# Altium PCB AD9434-500.PcbDoc (part 1 of 2)
Units mm, origin at the board's own origin, x right, y up, seen from the top; angles counter-clockwise.
Board outline 58.29 x 40.26 mm, 4 copper layers (Top Layer, Layer 1, Layer 2, Bottom Layer), stack 1.603 mm thick; 105 components, 73 nets, 544 pads, 963 vias.
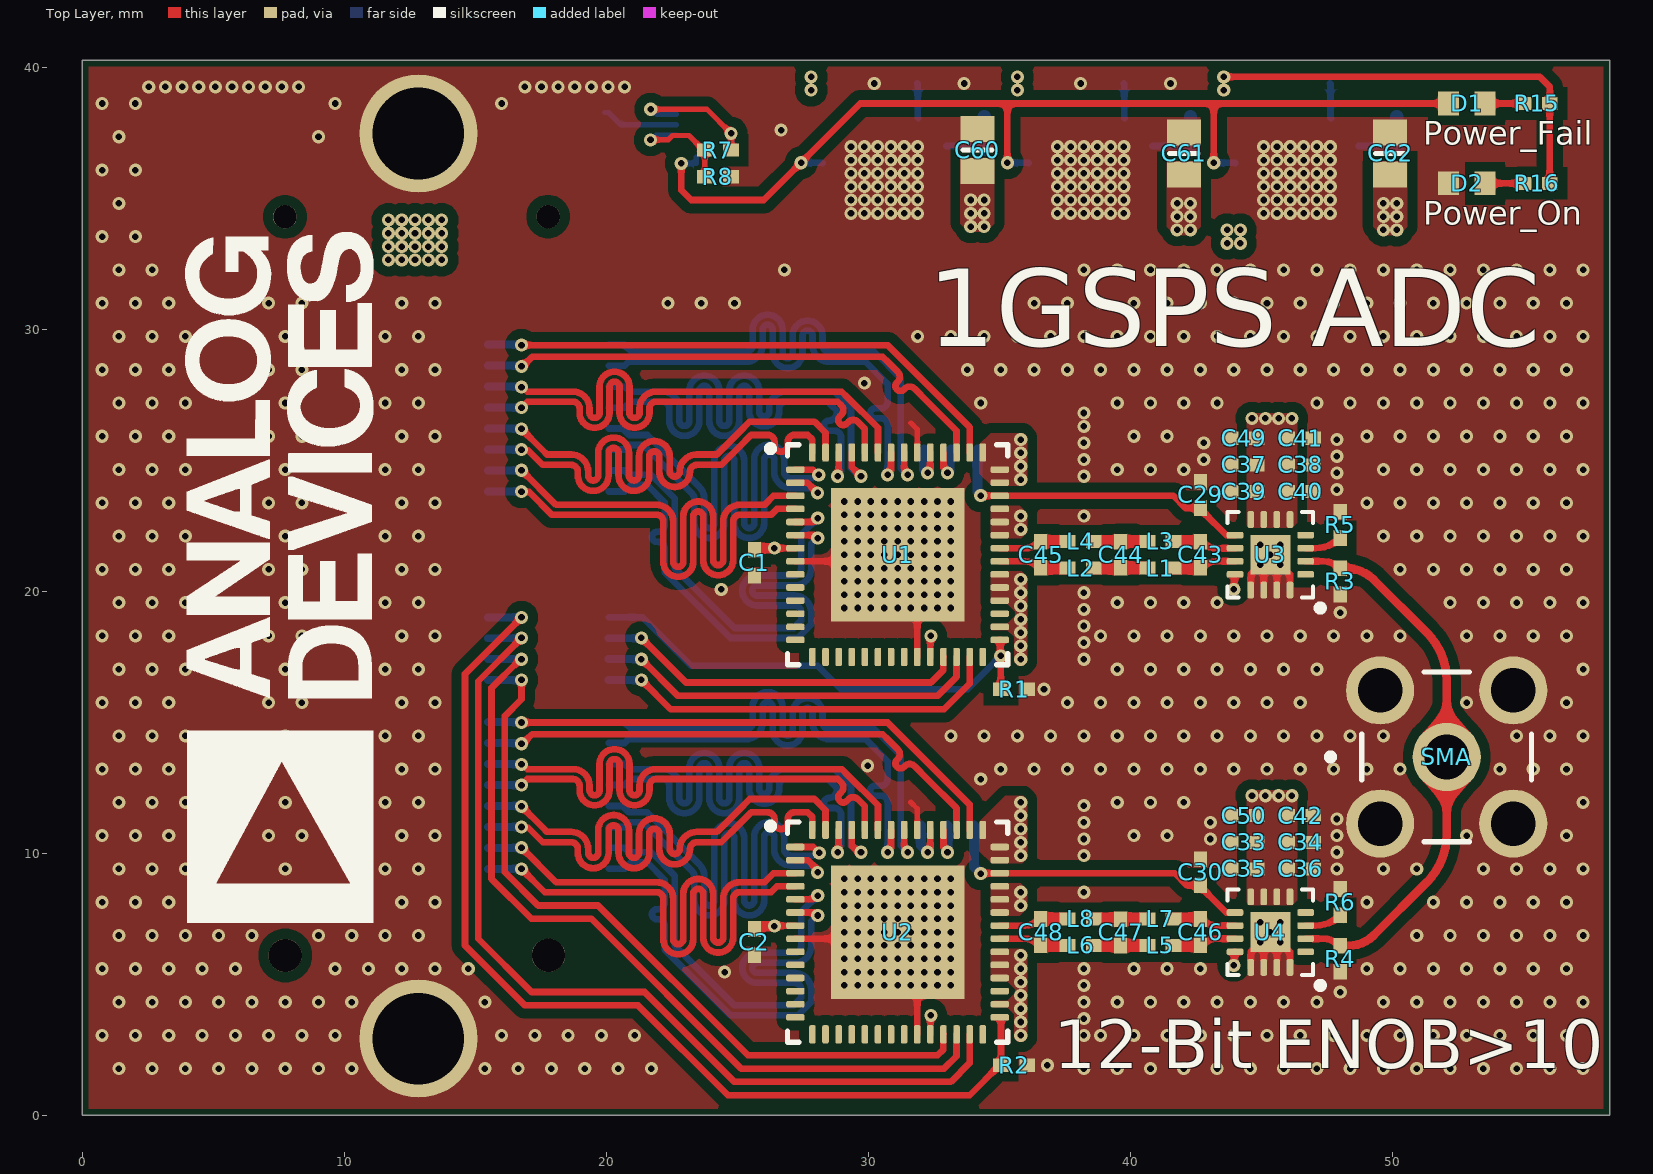
[diagram p0: Top Layer view]
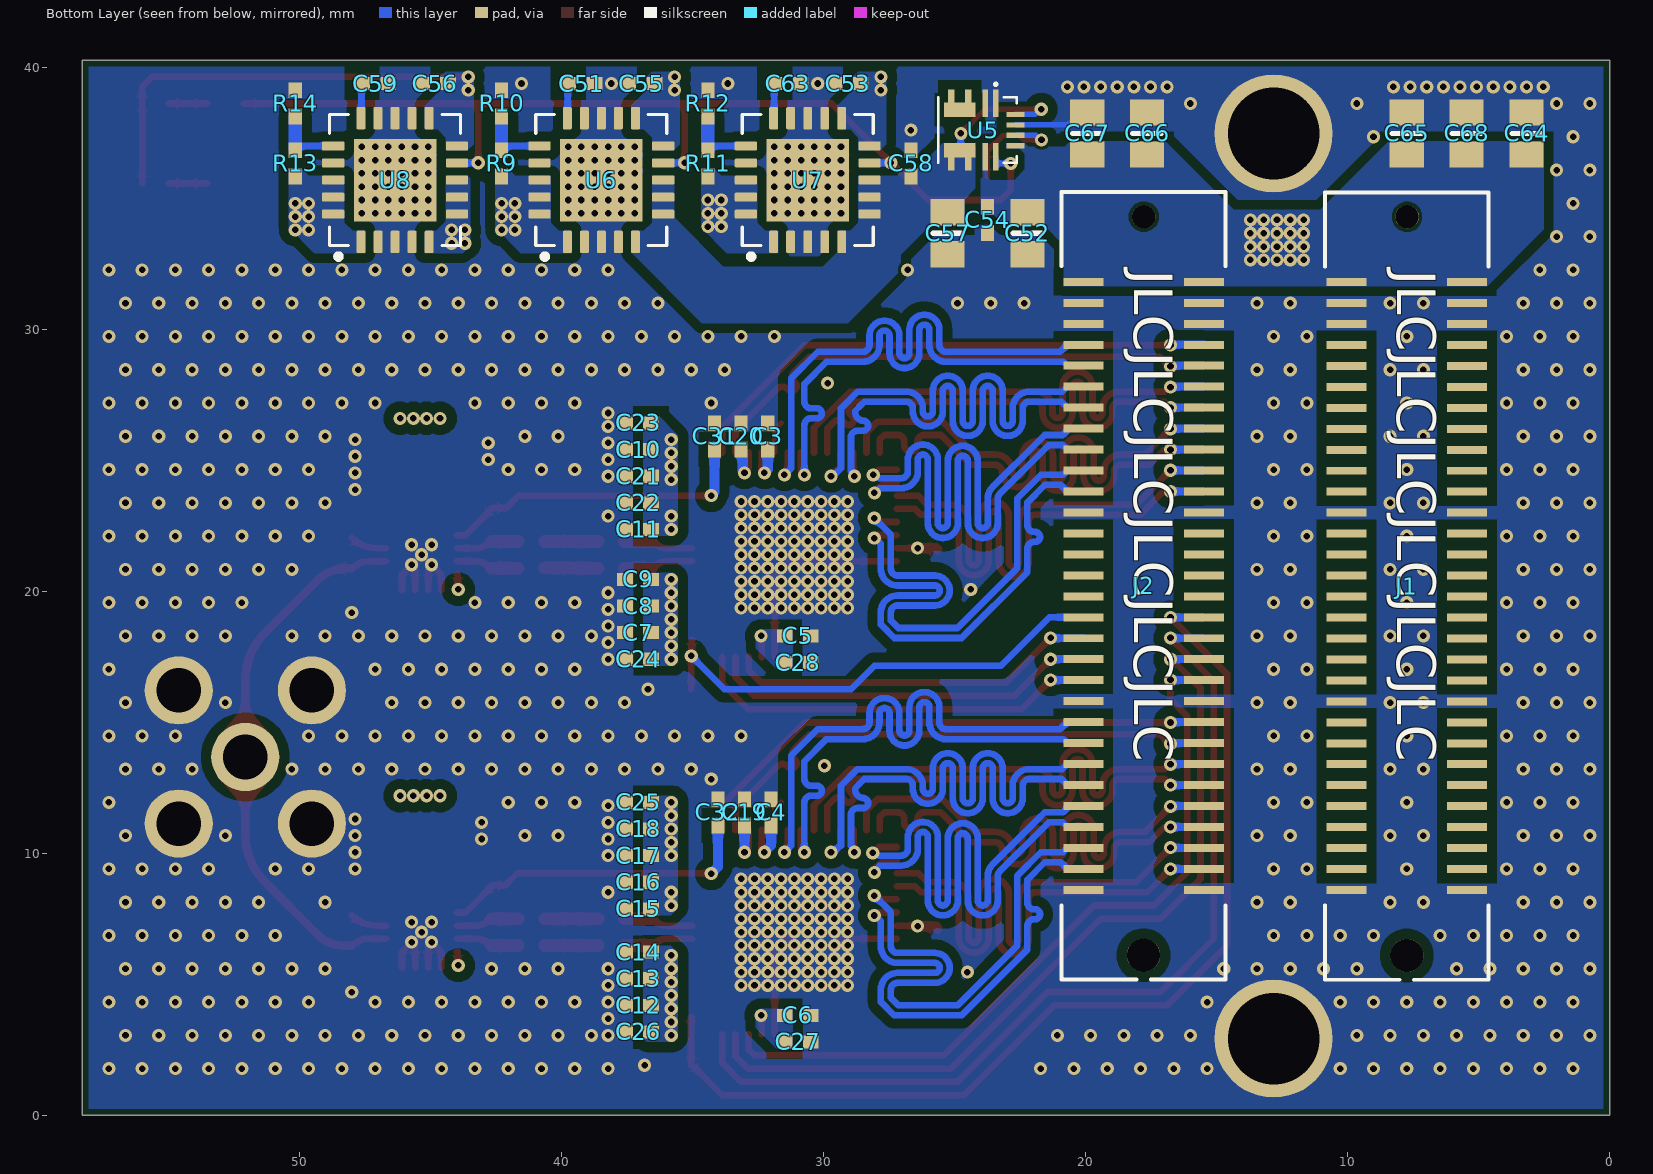
[diagram p1: Bottom Layer view, seen from below]
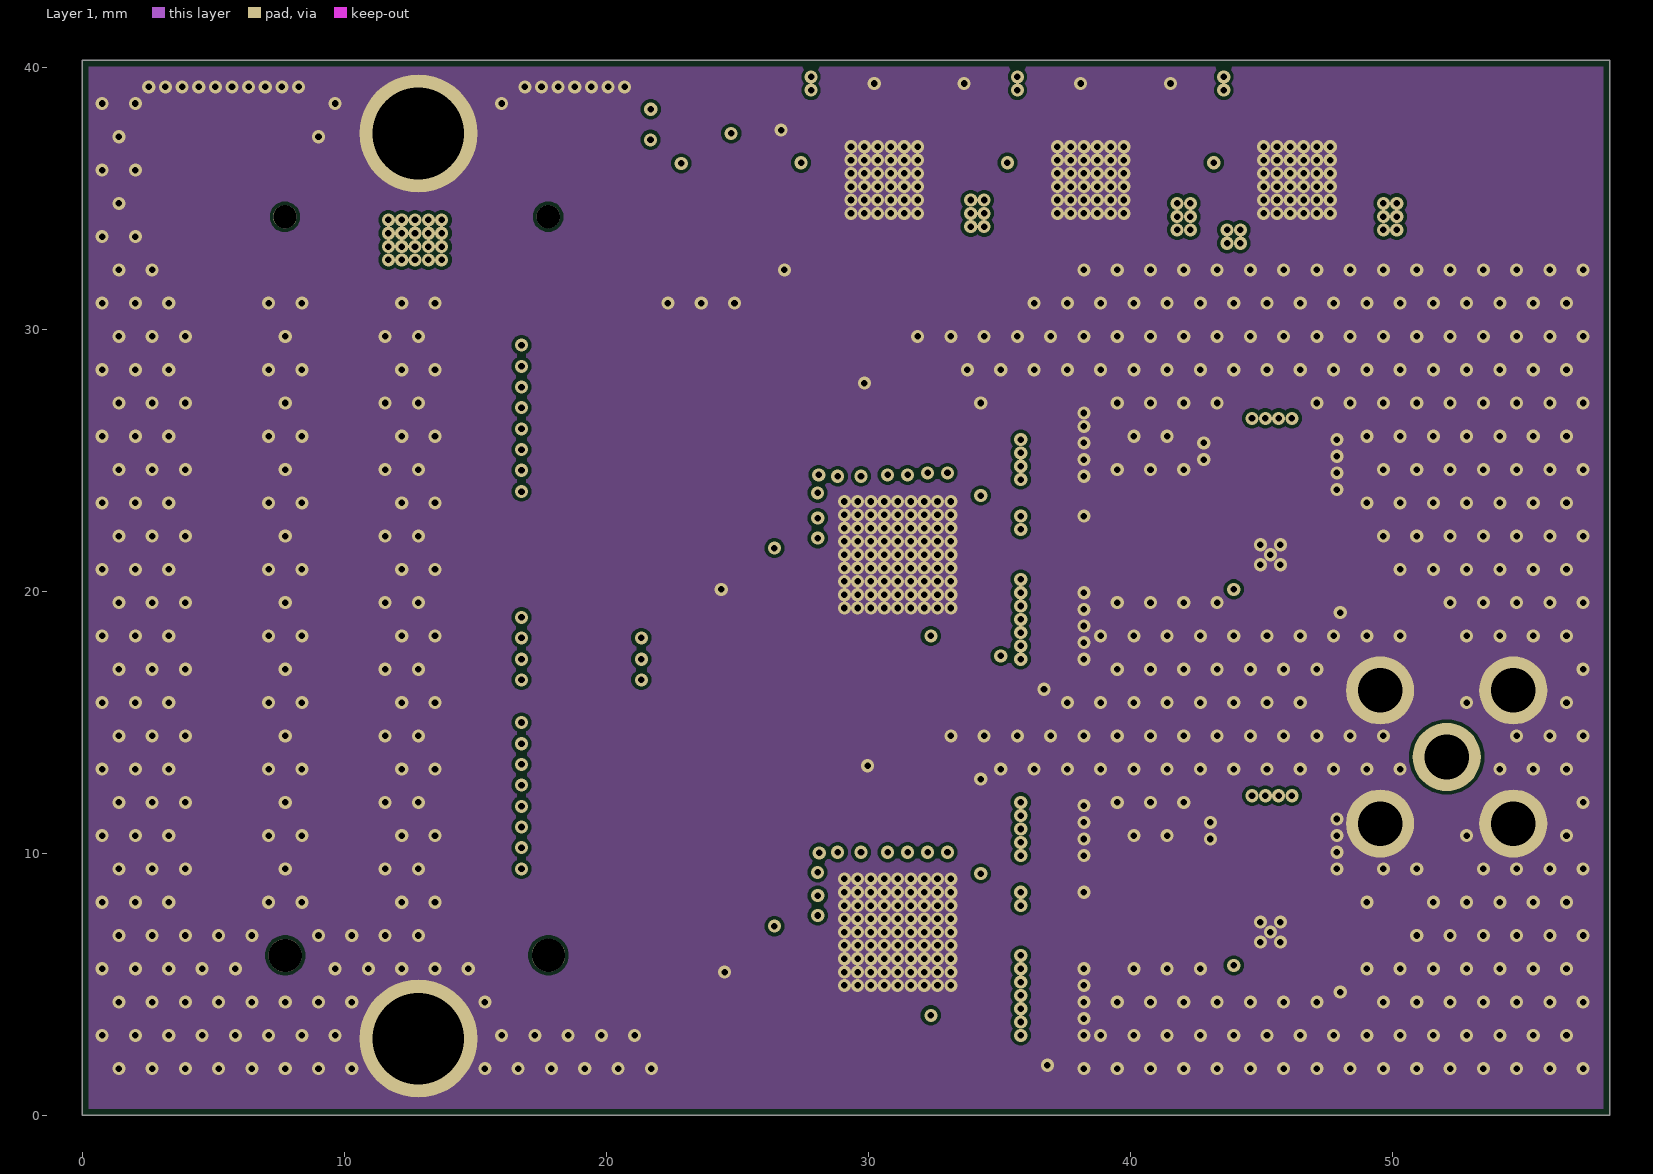
[diagram p2: Layer 1]
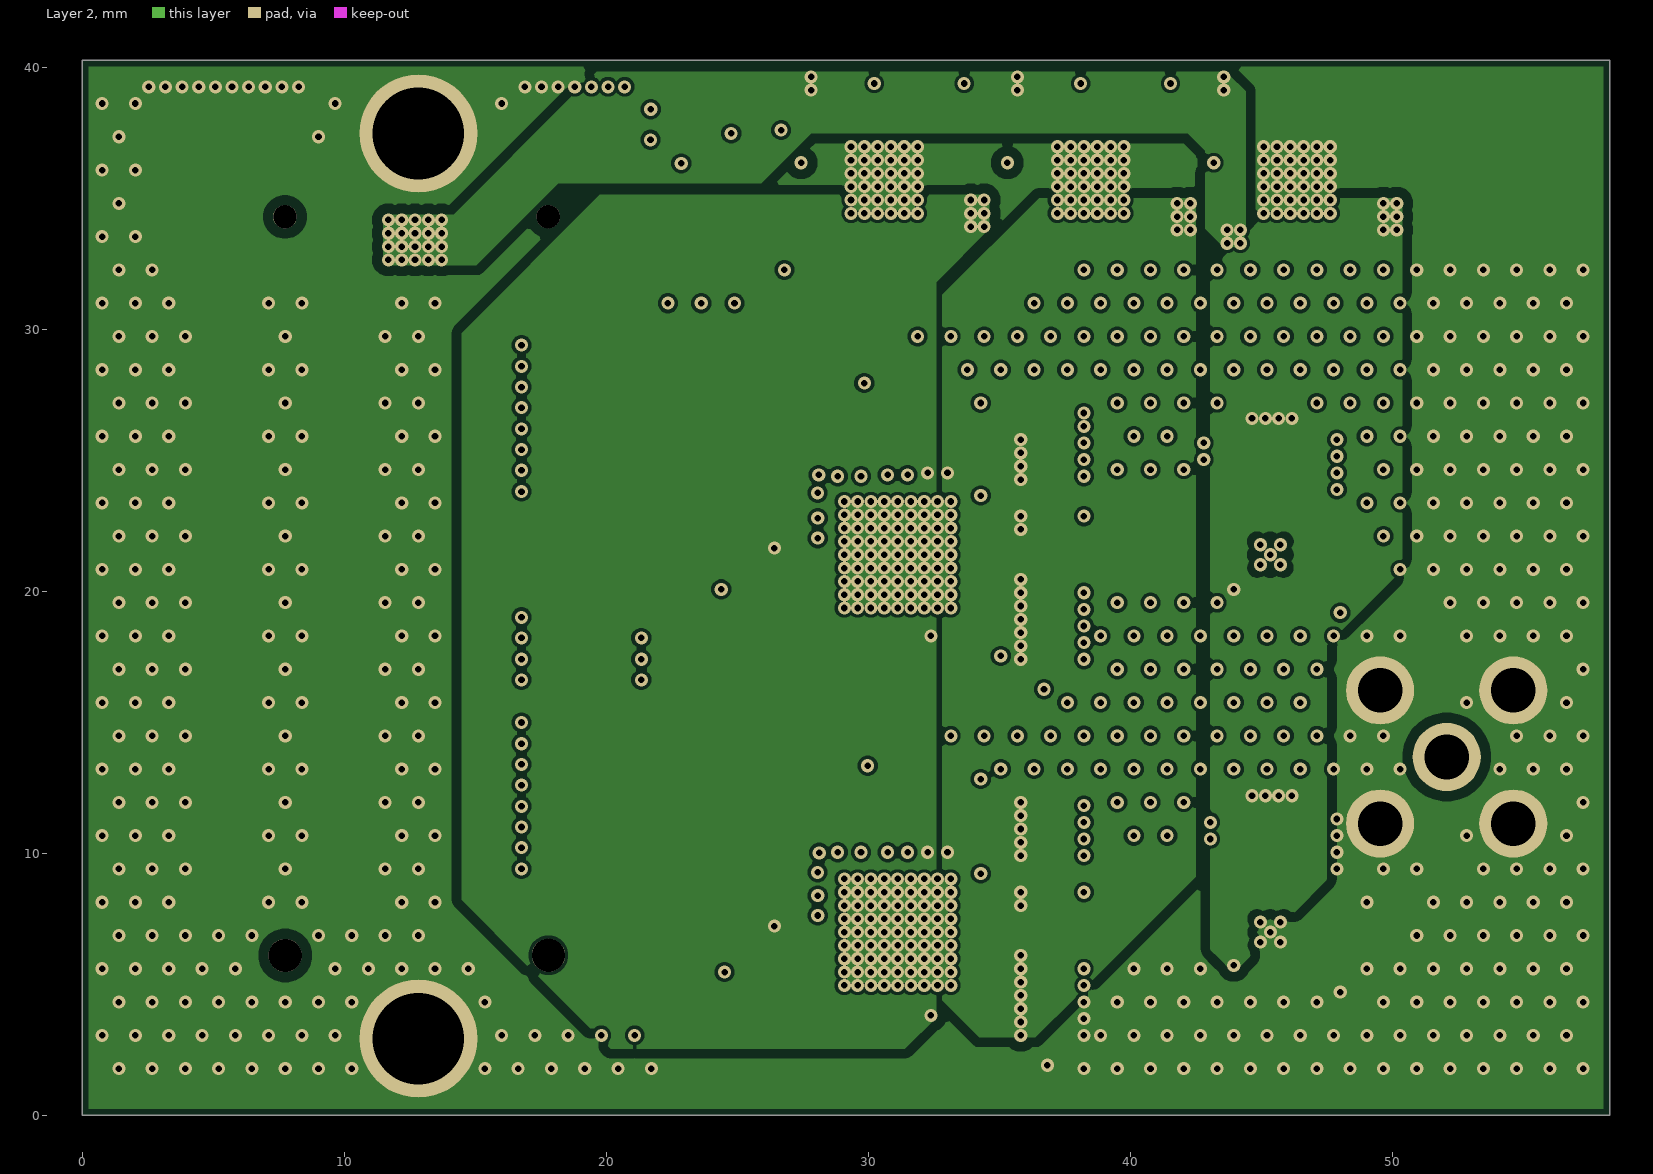
[diagram p3: Layer 2]

## Layer stack, top to bottom
Top Solder: solder mask 0.0102, Solder Resist, Dk 3.5
Top Layer: signal copper 0.0356
Dielectric 2: prepreg 0.0711, PP-006, Dk 4.1
Layer 1: signal copper 0.035
Dielectric 1: dielectric 1.32, FR-4, Dk 4.8
Layer 2: signal copper 0.035
Dielectric 3: prepreg 0.0711, PP-006, Dk 4.1
Bottom Layer: signal copper 0.0356
Bottom Solder: solder mask 0.0102, Solder Resist, Dk 3.5

## Board outline
0,0 0,40.259 58.293,40.259 58.293,0

## Design rules (kind name [scope] priority, off if disabled: settings)
Clearance [All] p1: gap=0.127 ignorepadtopadclearanceinfootprint=FALSE except(0: Arc-Hole Track-Hole SMDPad-Hole THPad-Hole Via-Hole Fill-Hole Poly-Hole Region-Hole Text-Hole)
DiffPairsRouting [All] p1: maxlimit=0.254 minlimit=0.127 mostfreqgap=0.254 toplayer_minwidth=0.127 toplayer_maxwidth=0.762 toplayer_prefwidth=0.381 midlayer1_minwidth=0.127 midlayer1_maxwidth=0.762 midlayer1_prefwidth=0.381 midlayer2_minwidth=0.127 midlayer2_maxwidth=0.762 midlayer2_prefwidth=0.381 bottomlayer_minwidth=0.127 bottomlayer_maxwidth=0.762 bottomlayer_prefwidth=0.381 maxuncoupledlength=12.7
PolygonConnect [All] p1: connectstyle=Direct reliefconductorwidth=0.254 reliefentries=4 polygonreliefangle="90 Angle" airgapwidth=0.254
RoutingVias [All] p1: holewidth=0.711 width=1.27 viastyle="Through Hole" minholewidth=0.711 minwidth=1.27 maxholewidth=0.711 maxwidth=1.27
SolderMaskExpansion [All] p1: expansion=0.102 istentingtop=FALSE
Width [All] p1: maxlimit=0.762 minlimit=0.102 preferedwidth=0.254
29 further rules are at their usual default settings.

## Classes and differential pairs
differential pair B_DCO: +B_DCO_P -B_DCO_N
differential pair B_D5/D11: +B_D5/D11_P -B_D5/D11_N
differential pair B_D4/D10: +B_D4/D10_P -B_D4/D10_N
differential pair B_D3/D9: +B_D3/D9_P -B_D3/D9_N
differential pair B_D2/D8: +B_D2/D8_P -B_D2/D8_N
differential pair B_D1/D7: +B_D1/D7_P -B_D1/D7_N
differential pair B_D0/D6: +B_D0/D6_P -B_D0/D6_N
differential pair A_DCO: +A_DCO_P -A_DCO_N
differential pair A_D5/D11: +A_D5/D11_P -A_D5/D11_N
differential pair A_D4/D10: +A_D4/D10_P -A_D4/D10_N
differential pair A_D3/D9: +A_D3/D9_P -A_D3/D9_N
differential pair A_D2/D8: +A_D2/D8_P -A_D2/D8_N
differential pair A_D1/D7: +A_D1/D7_P -A_D1/D7_N
differential pair A_D0/D6: +A_D0/D6_P -A_D0/D6_N
differential pair B_IN: +B_IN_P -B_IN_N
differential pair B_CLK: +B_CLK_P -B_CLK_N
differential pair A_IN: +A_IN_P -A_IN_N
differential pair A_CLK: +A_CLK_P -A_CLK_N

## Components (designator, comment, footprint, x,y, rotation, side; value= is the part's Value field where it differs from the comment)
C1 "100nF" 0402 25.654,21.082 r270 top value=104
C2 "100nF" 0402 25.654,6.604 r270 top value=104
C3 "100nF" 0402 32.131,25.908 r90 bottom value=104
C4 "100nF" 0402 32.004,11.557 r90 bottom value=104
C5 "100nF" 0402 30.988,18.288 r180 bottom value=104
C6 "100nF" 0402 30.988,3.81 r180 bottom value=104
C7 "100nF" 0402 37.084,18.415 r0 bottom value=104
C8 "100nF" 0402 37.084,19.431 r0 bottom value=104
C9 "100nF" 0402 37.084,20.447 r0 bottom value=104
C10 "100nF" 0402 37.084,25.4 r0 bottom value=104
C11 "100nF" 0402 37.084,22.352 r0 bottom value=104
C12 "100nF" 0402 37.084,4.191 r0 bottom value=104
C13 "100nF" 0402 37.084,5.207 r0 bottom value=104
C14 "100nF" 0402 37.084,6.223 r0 bottom value=104
C15 "100nF" 0402 37.084,7.874 r0 bottom value=104
C16 "100nF" 0402 37.084,8.89 r0 bottom value=104
C17 "100nF" 0402 37.084,9.906 r0 bottom value=104
C18 "100nF" 0402 37.084,10.922 r0 bottom value=104
C19 "100nF" 0402 33.02,11.557 r90 bottom value=104
C20 "100nF" 0402 33.147,25.908 r90 bottom value=104
C21 "100nF" 0402 37.084,24.384 r0 bottom value=104
C22 "100nF" 0402 37.084,23.368 r0 bottom value=104
C23 "10uF" 0402 37.084,26.416 r0 bottom value=104
C24 "10uF" 0402 37.084,17.399 r0 bottom value=104
C25 "10uF" 0402 37.084,11.938 r0 bottom value=104
C26 "10uF" 0402 37.084,3.175 r0 bottom value=104
C27 "10uF" 0402 30.988,2.794 r180 bottom value=104
C28 "10uF" 0402 30.988,17.272 r180 bottom value=104
C29 "100nF" 0402 42.672,23.673 r90 top value=104
C30 "100nF" 0402 42.672,9.271 r90 top value=104
C31 "100nF" 0402 34.163,25.908 r90 bottom value=104
C32 "100nF" 0402 34.036,11.557 r90 bottom value=104
C33 "100nF" 0402 44.323,10.414 r180 top value=104
C34 "100nF" 0402 46.482,10.414 r0 top value=104
C35 "100nF" 0402 44.323,9.398 r180 top value=104
C36 "100nF" 0402 46.482,9.398 r0 top value=104
C37 "100nF" 0402 44.323,24.816 r180 top value=104
C38 "100nF" 0402 46.482,24.816 r0 top value=104
C39 "100nF" 0402 44.323,23.8 r180 top value=104
C40 "100nF" 0402 46.482,23.8 r0 top value=104
C41 "10uF" 0402 46.482,25.832 r0 top value=104
C42 "10uF" 0402 46.482,11.43 r0 top value=104
C43 "15pF" 0402 42.672,21.387 r90 top value=104
C44 "68pF" 0402 39.624,21.387 r90 top value=104
C45 "75pF" 0402 36.576,21.387 r90 top value=104
C46 "15pF" 0402 42.672,6.985 r90 top value=104
C47 "68pF" 0402 39.624,6.977 r90 top value=104
C48 "75pF" 0402 36.576,6.985 r90 top value=104
C49 "10uF" 0402 44.323,25.832 r180 top value=104
C50 "10uF" 0402 44.323,11.43 r180 top value=104
C51 "1nF" 0402 39.243,39.37 r180 bottom value=104
C52 "22uF" 6-0805_L 22.225,33.655 r270 bottom value=104
C53 "10uF" 0402 29.083,39.37 r0 bottom value=104
C54 "10uF" 0402 23.749,34.163 r270 bottom value=104
C55 "10uF" 0402 36.957,39.37 r0 bottom value=104
C56 "10uF" 0402 44.831,39.37 r0 bottom value=104
C57 "22uF" 6-0805_L 25.273,33.655 r270 bottom value=104
C58 "100nF" 0402 26.67,36.322 r90 bottom value=104
C59 "1nF" 0402 47.117,39.37 r180 bottom value=104
C60 "22uF" 6-0805_L 34.163,36.83 r90 top value=104
C61 "22uF" 6-0805_L 42.037,36.703 r90 top value=104
C62 "22uF" 6-0805_L 49.911,36.703 r90 top value=104
C63 "1nF" 0402 31.369,39.37 r180 bottom value=104
C64 "22uF" 6-0805_L 3.175,37.465 r90 bottom value=104
C65 "22uF" 6-0805_L 7.747,37.465 r90 bottom value=104
C66 "22uF" 6-0805_L 17.653,37.465 r90 bottom value=104
C67 "22uF" 6-0805_L 19.939,37.465 r90 bottom value=104
C68 "22uF" 6-0805_L 5.461,37.465 r90 bottom value=104
D1 "RED" 1608[0603] 52.832,38.608 r180 top
D2 "BLUE" 1608[0603] 52.832,35.56 r0 top
J1 "5177984-2" CONN_5177984-2_TYC 9.947,31.793 r270 bottom
J2 "5177984-2" CONN_5177984-2_TYC 19.99,31.801 r270 bottom
L1 "2.7nH" 0402 41.148,20.879 r180 top
L2 "5.1nH" 0402 38.1,20.879 r180 top
L3 "2.7nH" 0402 41.148,21.895 r180 top
L4 "5.1nH" 0402 38.1,21.895 r180 top
L5 "2.7nH" 0402 41.148,6.477 r180 top
L6 "5.1nH" 0402 38.1,6.477 r180 top
L7 "2.7nH" 0402 41.148,7.493 r180 top
L8 "5.1nH" 0402 38.1,7.493 r180 top
R1 "1K" 0402 35.56,16.256 r180 top
R2 "1K" 0402 35.56,1.905 r180 top
R3 "300" 0402 48.006,20.371 r270 top value=1K
R4 "300" 0402 48.006,5.969 r270 top value=1K
R5 "75" 0402 48.006,22.53 r90 top value=1K
R6 "75" 0402 48.006,8.128 r270 top value=1K
R7 "5.6K" 0402 24.257,36.83 r180 top value=1K
R8 "2.4K" 0402 24.257,35.814 r0 top value=1K
R9 "1.5K" 0402 42.291,36.322 r90 bottom value=1K
R10 "1.2K" 0402 42.291,38.608 r90 bottom value=1K
R11 "1.5K" 0402 34.417,36.322 r90 bottom value=1K
R12 "1.2K" 0402 34.417,38.608 r90 bottom value=1K
R13 "12K" 0402 50.165,36.322 r90 bottom value=1K
R14 "3K" 0402 50.165,38.608 r90 bottom value=1K
R15 "18K" 0402 55.499,38.608 r180 top value=1K
R16 "18K" 0402 55.499,35.56 r0 top value=1K
SMA "1053354-1" FP-1053354-1-MFG 52.07,13.67 r0 top
U1 "AD9434BCPZ-500" CP-56-5_L 31.115,21.387 r0 top
U2 "AD9434BCPZ-500" CP-56-5_L 31.115,6.985 r0 top
U3 "ADL5565" CP_16_2_ADI-L 45.339,21.387 r180 top
U4 "ADL5565" CP_16_2_ADI-L 45.339,6.985 r180 top
U5 "MPM3810GQB-P" MPM3810GQB33Z 24.13,37.592 r270 bottom
U6 "TPS74201RGWT" QFN65P500X500X100-21N 38.481,35.687 r90 bottom
U7 "TPS74201RGWT" QFN65P500X500X100-21N 30.607,35.687 r90 bottom
U8 "TPS74201RGWT" QFN65P500X500X100-21N 46.355,35.687 r90 bottom
